# KiCad board Mothbox_5.0.4.kicad_pcb (continued)
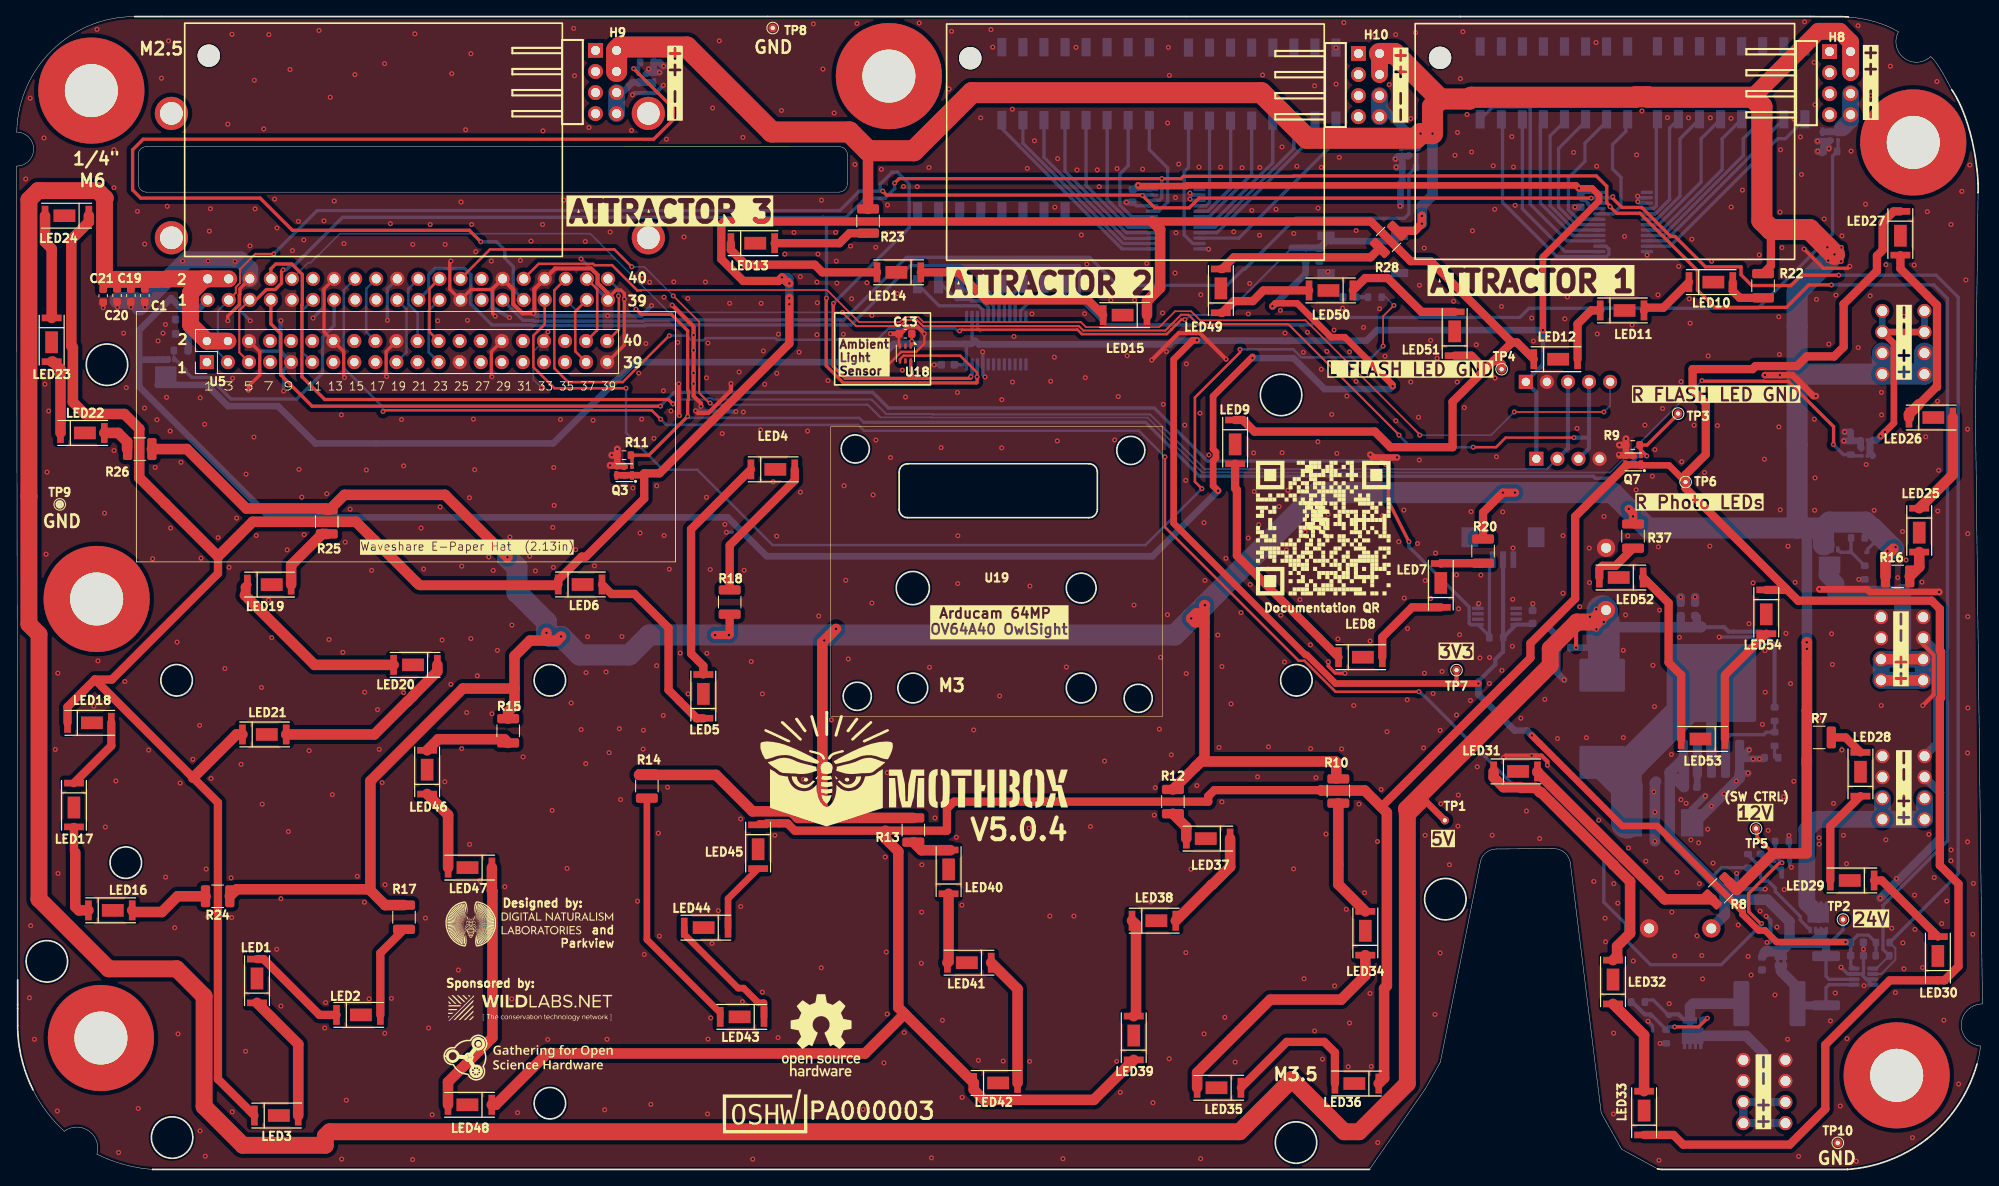
[diagram p0: board, top side]
## Nets
3V3_CTL: Q13.4 R36.2 U7.14
+3.3V: C4.2 C6.1 C7.2 C8.1 C9.2 C12.2 C13.2 H1.1 J5.2 Q13.5 Q13.6 Q13.7 Q13.8 Q13.9 R5.2 R6.2 R33.1 TP7.1 U3.4 U8.1 U9.21 U9.24 U15.24 U16.2 U16.24 U17.8 U18.1
+3V3: C17.1 C18.1 Q13.1 Q13.2 Q13.3 R35.1 R36.1 U7.2
+5V: C1.1 C5.1 C10.1 C11.1 C16.1 C19.1 C20.1 C21.1 L1.2 R2.1 TP1.1 U5.2 U5.4 U7.1 U7.3
+12V: D4.1 H8.2 H8.4 H9.2 H9.4 H10.2 H10.4 J4.3 J4.4 Q10.1 Q10.2 Q10.3 R7.1 R8.1 R10.1 R12.1 R13.1 R14.1 R15.1 R16.1 R17.1 R18.1 R20.1 R22.1 R23.1 R24.1 R25.1 R26.1 R28.1 R37.1 R42.2 TP5.1
+24V: C2.1 C3.1 C14.1 D2.1 JP1.2 Q8.1 Q8.2 Q8.3 R4.1 R41.2 TP2.1 U2.5 U3.2
GND: C1.2 C2.2 C4.1 C5.2 C6.2 C7.1 C8.2 C9.1 C10.2 C11.2 C12.1 C13.1 C14.2 C15.2 C16.2 C17.2 C18.2 C19.2 C20.2 C21.2 D3.1 E1.2 H1.4 J1.1 J1.2 J2.1 J2.2 J3.1 J3.2 J5.3 Q2.2 Q3.4 Q3.7 Q4.4 Q4.7 Q5.4 Q5.7 Q6.4 Q6.7 Q7.4 Q7.7 Q9.4 Q9.7 R1.2 R9.2 R11.2 R19.2 R21.2 R27.2 R29.2 R31.2 R32.2 R39.2 SW2.3 SW2.4 TP8.1 TP9.1 TP10.1 U2.1 U3.3 U3.7 U3.8 U5.6 U5.9 U5.14 U5.20 U5.25 U5.30 U5.34 U5.39 U7.5 U7.10 U7.13 U7.19 U7.26 U7.29 U7.33 U7.40 U8.2 U9.2 U9.3 U9.12 U10.1 U10.2 U10.3 U10.4 U10.5 U10.6 U10.7 U10.8 U11.1 U11.2 U11.3 U11.4 U11.5 U11.6 U11.7 U11.8 U12.1 U12.2 U12.3 U12.4 U12.5 U12.6 U12.7 U12.8 U13.1 U13.2 U13.3 U13.4 U13.5 U13.6 U13.7 U13.8 U14.1 U14.2 U14.3 U14.4 U14.5 U14.6 U14.7 U14.8 U15.2 U15.3 U15.12 U15.21 U16.3 U16.12 U16.21 U17.4 U18.3
/GPS and Switches and Light Sensor/Armed/Disarmed: U11.16 U15.13
/GPS and Switches and Light Sensor/Attractor_1: U12.13 U16.7
/GPS and Switches and Light Sensor/Attractor_2: U12.12 U16.8
/GPS and Switches and Light Sensor/Attractor_3: U12.11 U16.9
/GPS and Switches and Light Sensor/C1: U12.10 U16.10
/GPS and Switches and Light Sensor/C2: U12.9 U16.11
/GPS and Switches and Light Sensor/Fri: U11.13 U15.16
/GPS and Switches and Light Sensor/HI/LOW_PWR: U12.15 U16.5
/GPS and Switches and Light Sensor/Hour_1: U9.4 U13.16
/GPS and Switches and Light Sensor/Hour_2: U9.5 U13.15
/GPS and Switches and Light Sensor/Hour_3: U9.6 U13.14
/GPS and Switches and Light Sensor/Hour_4: U9.7 U13.13
/GPS and Switches and Light Sensor/Hour_5: U9.8 U13.12
/GPS and Switches and Light Sensor/Hour_6: U9.9 U13.11
/GPS and Switches and Light Sensor/Hour_7: U9.10 U13.10
/GPS and Switches and Light Sensor/Hour_8: U9.11 U13.9
/GPS and Switches and Light Sensor/Hour_9: U9.15 U14.16
/GPS and Switches and Light Sensor/Hour_10: U9.14 U14.15
/GPS and Switches and Light Sensor/Hour_11: U9.13 U14.14
/GPS and Switches and Light Sensor/Hour_12: U9.16 U14.13
/GPS and Switches and Light Sensor/Hour_13: U9.17 U14.12
/GPS and Switches and Light Sensor/Hour_14: U9.18 U14.11
/GPS and Switches and Light Sensor/Hour_15: U9.19 U14.10
/GPS and Switches and Light Sensor/Hour_16: U9.20 U14.9
/GPS and Switches and Light Sensor/Hour_17: U10.15 U15.4
/GPS and Switches and Light Sensor/Hour_18: U10.14 U15.5
/GPS and Switches and Light Sensor/Hour_19: U10.13 U15.6
/GPS and Switches and Light Sensor/Hour_20: U10.12 U15.7
/GPS and Switches and Light Sensor/Hour_21: U10.11 U15.8
/GPS and Switches and Light Sensor/Hour_22: U10.10 U15.9
/GPS and Switches and Light Sensor/Hour_23: U10.9 U15.10
/GPS and Switches and Light Sensor/Hour_24: U10.16 U15.11
/GPS and Switches and Light Sensor/INT/EXT_Attractor: U12.14 U16.6
/GPS and Switches and Light Sensor/Mon: U11.9 U15.20
/GPS and Switches and Light Sensor/Sat: U11.14 U15.15
/GPS and Switches and Light Sensor/Sun: U11.15 U15.14
/GPS and Switches and Light Sensor/Test_Debug: U12.16 U16.4
/GPS and Switches and Light Sensor/Thur: U11.12 U15.17
/GPS and Switches and Light Sensor/Tue: U11.10 U15.19
/GPS and Switches and Light Sensor/Wed: U11.11 U15.18
/RPI5/Save for eink_11: U5.11 U7.12
/RPI5/Save for eink_18: U5.18 U7.17
/RPI5/Save for eink_19: U5.19 U7.20
/RPI5/Save for eink_22: U5.22 U7.21
/RPI5/Save for eink_23: U5.23 U7.24
/RPI5/Save for eink_24: U5.24 U7.23
/RPI5/Save for relay: U5.38 U7.37
/RPI5/Save for relay 2: U5.40 U7.39
/RPI5/Save for relay 3: U5.37 U7.38
EN_12VReg: Q2.1 R1.1 U7.15
GPIO4: J5.1 R33.2 U7.8 U17.1
GPS_PPS: U7.31 U8.5
GPS_RX: H1.2 U7.7 U8.3
GPS_TX: H1.3 U7.9 U8.4
PHOTO_LED_CTRL: Q3.3 Q7.3 R9.1 R11.1 TP3.1 U7.36
SCL: R5.1 U3.5 U5.5 U7.6 U9.22 U15.22 U16.22 U18.4
SDA: R6.1 U3.6 U5.3 U7.4 U9.23 U15.23 U16.23 U18.6
SWITCH: C15.1 R35.2 SW2.1 SW2.2 U7.35
User_LED: R34.1 U7.34
UV1_CTRL: Q5.3 R27.1 U7.22
UV2_CTRL: Q9.3 R21.1 U7.30
UV3_CTRL: Q6.3 R31.1 U7.32
UV4_EX_CTRL: Q4.3 R19.1 U7.25
Net-(D1-A): D1.2 Q1.4 R29.1 R38.1
Net-(D1-K): D1.1 F2.1 Q1.1 Q1.2 Q1.3 R38.2
Net-(D2-A): D2.2 Q8.4 R30.1 R41.1
Net-(D3-A): D3.2 R34.2
Net-(D4-A): D4.2 Q10.4 R39.1 R42.1
Net-(E1-C): E1.1 L1.1 U2.3
Net-(H8-Pad6): H8.6 H8.8 Q5.1 Q5.2 Q5.5 Q5.6 Q5.8
Net-(H9-Pad6): H9.6 H9.8 Q6.1 Q6.2 Q6.5 Q6.6 Q6.8
Net-(H10-Pad6): H10.6 H10.8 Q9.1 Q9.2 Q9.5 Q9.6 Q9.8
Net-(J1-Pin_3): J1.3 J1.4 Q10.5 Q10.6 Q10.7 Q10.8 Q10.9
Net-(J2-Pin_3): J2.3 J2.4 Q1.5 Q1.6 Q1.7 Q1.8 Q1.9
Net-(J3-Pin_3): J3.3 J3.4 Q8.5 Q8.6 Q8.7 Q8.8 Q8.9
Net-(J4-Pin_1): J4.1 J4.2 Q4.1 Q4.2 Q4.5 Q4.6 Q4.8
Net-(JP1-A): F2.2 JP1.1 R4.2 U3.1
Net-(LED1-A): LED1.2 LED2.1
Net-(LED1-K): LED1.1 LED3.2
Net-(LED2-A): LED2.2 R17.2
Net-(LED4-A): LED4.2 R18.2
Net-(LED4-K): LED4.1 LED5.2
Net-(LED5-K): LED5.1 LED6.2
Net-(LED7-A): LED7.2 R20.2
Net-(LED7-K): LED7.1 LED8.2
Net-(LED8-K): LED8.1 LED9.2
Net-(LED10-A): LED10.2 R22.2
Net-(LED10-K): LED10.1 LED11.2
Net-(LED11-K): LED11.1 LED12.2
Net-(LED12-K): LED3.1 LED6.1 LED9.1 LED12.1 LED15.1 LED18.1 LED21.1 LED24.1 LED51.1 Q3.1 Q3.2 Q3.5 Q3.6 Q3.8 TP4.1
Net-(LED13-A): LED13.2 R23.2
Net-(LED13-K): LED13.1 LED14.2
Net-(LED14-K): LED14.1 LED15.2
Net-(LED16-A): LED16.2 R24.2
Net-(LED16-K): LED16.1 LED17.2
Net-(LED17-K): LED17.1 LED18.2
Net-(LED19-A): LED19.2 R25.2
Net-(LED19-K): LED19.1 LED20.2
Net-(LED20-K): LED20.1 LED21.2
Net-(LED22-A): LED22.2 R26.2
Net-(LED22-K): LED22.1 LED23.2
Net-(LED23-K): LED23.1 LED24.2
Net-(LED25-A): LED25.2 R16.2
Net-(LED25-K): LED25.1 LED26.2
Net-(LED26-K): LED26.1 LED27.2
Net-(LED27-K): LED27.1 LED30.1 LED33.1 LED36.1 LED39.1 LED42.1 LED45.1 LED48.1 LED54.1 Q7.1 Q7.2 Q7.5 Q7.6 Q7.8 TP6.1
Net-(LED28-A): LED28.2 R7.2
Net-(LED28-K): LED28.1 LED29.2
Net-(LED29-K): LED29.1 LED30.2
Net-(LED31-A): LED31.2 R8.2
Net-(LED31-K): LED31.1 LED32.2
Net-(LED32-K): LED32.1 LED33.2
Net-(LED34-A): LED34.2 R10.2
Net-(LED34-K): LED34.1 LED35.2
Net-(LED35-K): LED35.1 LED36.2
Net-(LED37-A): LED37.2 R12.2
Net-(LED37-K): LED37.1 LED38.2
Net-(LED38-K): LED38.1 LED39.2
Net-(LED40-A): LED40.2 R13.2
Net-(LED40-K): LED40.1 LED41.2
Net-(LED41-K): LED41.1 LED42.2
Net-(LED43-A): LED43.2 R14.2
Net-(LED43-K): LED43.1 LED44.2
Net-(LED44-K): LED44.1 LED45.2
Net-(LED46-A): LED46.2 R15.2
Net-(LED46-K): LED46.1 LED47.2
Net-(LED47-K): LED47.1 LED48.2
Net-(LED49-A): LED49.2 R28.2
Net-(LED49-K): LED49.1 LED50.2
Net-(LED50-K): LED50.1 LED51.2
Net-(LED52-A): LED52.2 R37.2
Net-(LED52-K): LED52.1 LED53.2
Net-(LED53-K): LED53.1 LED54.2
Net-(Q2-D): Q2.3 R30.2
Net-(R3-Pad2): R3.2 R32.1
Net-(U2-FB): R2.2 R3.1 U2.2
Net-(U2-VC): C3.2 U2.4

Pads without a net: H2 1; H3 1; H4 1; H5 1; H6 1; H7 1; H8 1 3 5 7; H9 1 3 5 7; H10 1 3 5 7; J5 4 5; LED1 3; LED2 3; LED3 3; LED4 3; LED5 3; LED6 3; LED7 3; LED8 3; LED9 3; LED10 3; LED11 3; LED12 3; LED13 3; LED14 3; LED15 3; LED16 3; LED17 3; LED18 3; LED19 3; LED20 3; LED21 3; LED22 3; LED23 3; LED24 3; LED25 3; LED26 3; LED27 3; LED28 3; LED29 3; LED30 3; LED31 3; LED32 3; LED33 3; LED34 3; LED35 3; LED36 3; LED37 3; LED38 3; LED39 3; LED40 3; LED41 3; LED42 3; LED43 3; LED44 3; LED45 3; LED46 3; LED47 3; LED48 3; LED49 3; LED50 3; LED51 3; LED52 3; LED53 3; LED54 3; U5 1 7 8 10 12 13 15 16 17 21 26 27 28 29 31 32 33 35 36; U6 S1 S2 S3; U7 11 16 18 27 28; U9 1; U15 1; U16 1 13 14 15 16 17 18 19 20; U17 2 3 5 6 7; U18 2 5

## Via types
v1: diameter 0.6, hole 0.3, Top to Bottom, 1019 vias

## Routing (per net, layer and track width the routed paths; a pad name or vN(x,y) marks a point on that pad's centre or on a via; arc(x,y) is an arc through that point)
3V3_CTL: length 31.8
  Bottom w0.203: R36.2 18.97,97.68 18.95,97.66
  Bottom w0.4: U7.14 38.27,101.74 36.89,100.35 36.89,96.03 33.76,92.9 25.84,92.9 23.24,95.5 21.11,95.5 20.4,96.21 20.4,96.43 19.13,97.7 18.97,97.7
+3.3V: length 444.7
  Top w0.305: U18.1 107.92,99.42 v1(107.92,99.86) C13.2
  Top w0.5: 173.52,60.22 173.6,60.15 173.6,58.64 173.64,58.6
  Top w0.8: v1(220.5,27.42) 212.19,27.42 210.77,28.84 210.73,28.81 210.03,28.81 208.08,30.76 208.08,31.12 197.78,41.42 193.59,41.42 v1(182.68,52.33) ; v1(135.21,118.67) 135.31,118.58 141.03,118.58 141.12,118.67 187.99,118.67 v1(188.35,118.31) 189.93,118.31 190.78,117.46 190.78,116.8 184.01,110.02 v1(184.01,101.22) ; v1(176.24,58.6) 159,58.6 155.56,62.04 155.38,62.04 139.5,77.92 139.5,97.67 141.81,99.99 v1(142.3,99.99)
  Bottom w0.4: 114.31,97.31 114.51,97.51 114.51,99.34 114.31,99.54 ; 114.31,97.31 114.54,97.08 ; 114.31,97.31 114.31,97.04 C12.2 ; C7.2 134.59,118.16 U15.24 ; 221.51,24.36 U3.4 221.12,24.62 C6.1 221.12,27.6 ; 115.56,99.94 115.16,99.54 115.19,99.57 115.19,102.81 ; U9.24 188.8,117.83 C9.2 188.57,116.98 188.65,116.9 189.08,116.9 189.44,116.54 189.44,116.42 189.98,115.88 U9.21 ; C8.1 221.98,28.26 223.27,28.26 R6.2 ; 224.16,25.77 224.16,27.42 224.17,27.43
  Bottom w0.5: 176.24,58.85 178.28,60.9 178.28,61.5 179.22,62.43 R33.1 ; v1(184.01,101.22) 184.01,97.03 U8.1 183.22,93.7 H1.1 ; R33.1 179.22,73.53 J5.2 ; R33.1 179.22,64.14 U17.8 182.63,65.7 C4.2
  Bottom w0.8: v1(188.35,118.31) 188.57,118.1 C9.2 ; 115.16,99.54 105.76,99.54 103.56,97.34 74.49,97.34 64.69,87.54 43.26,87.54 43.26,87.55 36.01,87.55 31.5,92.05 25.48,92.05 22.93,94.6 16.99,94.6 ; v1(184.01,101.22) 164.01,101.22 162.74,99.94 153.35,99.94 153.32,99.91 152.61,99.91 152.58,99.94 139.5,99.94 139.04,99.49 116.02,99.49 115.56,99.94 ; 176.24,58.85 v1(176.24,58.6) 176.24,57.3 176.24,57.29 180.6,52.93 182.08,52.93 v1(182.68,52.33) ; C7.2 134.74,118.2 v1(135.21,118.67)
+3V3: length 231.3
  Top w0.8: v1(165.9,94.44) 165.9,94.59 160.14,100.36 158.48,100.36 154.39,104.45 151.75,104.45 v1(151.4,104.09) ; 149,97.99 144.25,93.24 144.25,86.86 144.6,86.51 144.6,85.8 144.25,85.45 144.25,82.44 v1(144.85,81.84)
  Bottom w0.8: 14.78,97.64 18.2,97.64 18.2,97.66 ; 14.78,97.64 14.78,101.22 18.62,105.07 20.73,102.97 C17.1 20.73,100.76 C18.1 20.72,99.08 20.74,99.06 20.74,98.63 ; 14.78,97.64 14.78,94.37 30.51,78.64 85.74,78.64 90.44,73.94 136.95,73.94 v1(144.85,81.84) ; 20.81,102.64 U7.2 ; R35.1 155.41,108 151.45,104.04 v1(151.4,104.09) ; v1(165.9,94.44) 165.57,94.11 157.68,94.11 153.95,97.84 v1(149,97.84)
+5V: length 466.6
  Top w0.5: 188.1,66.01 188.01,65.92 v1(188.01,62.92)
  Top w0.8: 169.24,44.42 169.87,44.42 TP1.1
  Top w2.032: U7.1 22.65,107.4 20.97,105.71 20.97,101.86 22.95,99.89 25.49,99.89 ; U7.1 U7.3 ; U7.1 18.15,107.4 18.09,107.33 17.03,107.33 ; C16.1 190.18,66.01 188.1,66.01 184.9,62.81 184.9,60.8 167.56,43.46 167.66,43.36 167.66,42.84 ; 167.66,42.84 169.24,44.42 ; 167.66,42.84 167.66,10.36 161.85,4.54 160.05,4.54 153.75,10.84 147.45,4.54 37.75,4.54 37.22,4.01 37.22,2.91 27.28,2.91 22.61,7.58 22.61,20.88 19.3,24.19 11.1,24.19 2.7,32.59 2.7,64.54 1.49,65.75 1.49,81.17 1.49,116.93 2.6,118.04 9.75,118.04 10.68,117.11 10.6,117.02 10.6,107.46 10.73,107.33 17.03,107.33 ; 17.03,107.33 15.37,107.33
  Bottom w0.4: 192.17,64.85 191.16,63.84
  Bottom w0.5: 193.12,65.39 191.16,67.34 ; 203.1,65.44 200.22,65.44 ; 211.95,55.82 211.95,63.24 210.35,64.85 206.41,64.85 205.87,65.39 200.41,65.39
  Bottom w0.8: 191.16,63.84 190.24,62.92 C5.1
  Bottom w1: 200.22,65.44 200.63,65.85 C11.1 ; 202.28,65.44 202.57,65.74 202.57,66.56 C10.1
  Bottom w1.27: 202.28,65.44 203.1,65.44 203.05,65.39 192.71,65.39 191.16,63.84
  Bottom w2.54: L1.2 191.16,63.84
  Bottom w3.81: L1.2 191.36,59.79 v1(191.36,66) ; 191.16,63.84 191.16,67.34
  vias: v1(189.69,66.65) v1(190.44,67.55) v1(190.47,65.12)
+12V: length 799.3
  Top w0.4: TP5.1 209.84,40.98 209.84,40.06 211.79,38.11
  Top w1: v1(84.21,64.44) v1(85.88,64.44) 85.97,64.54 R18.1 ; v1(180.65,81.62) v1(179.19,81.62) 176.8,79.22 R20.1 ; 102.65,122.83 102.66,122.84 ; R28.1 168.57,113.19 v1(169.43,114.05) 169.43,114.99 v1(169.43,114.99) ; 211.5,113.34 211.5,108.97 R22.1 ; 215.86,55.33 R7.1 215.86,49.6 215.83,49.57 ; v1(194.36,79.65) 194.88,79.13 R37.1
  Top w1.27: 42.65,33.65 42.65,46.84 53.8,57.99 60.03,57.99 ; 42.65,33.65 42.52,33.78 26.54,33.78 R24.1 ; 42.65,33.65 44.42,31.87 R17.1 ; 142.12,48.54 143.21,49.63 143.21,65.99 ; 142.12,48.54 R12.1 ; 142.12,48.54 142.78,49.19 159.01,49.19 159.1,49.11 159.1,47.16 ; 143.21,67.04 143.21,68.04 v1(143.26,68.04) ; 143.21,67.04 142.21,67.04 v1(141.61,66.45) 142.06,65.99 143.21,65.99 ; 143.21,67.04 143.21,65.99 ; v1(98.79,65.18) 98.05,64.44 98.04,64.44 97.14,63.55 97.14,42.39 ; v1(59.18,73.83) 51.66,81.34 39.52,81.34 37.74,79.57 37.39,79.57 37.26,79.71 27.7,79.71 20.53,86.87 R26.1 ; 226.27,74.86 225.31,73.9 R16.1 ; 63.88,63.77 v1(63.88,64.7) ; 63.88,63.77 61.89,63.77 60.03,61.91 60.03,57.99 ; 63.88,63.77 65.14,63.77 v1(65.64,64.27) ; R8.1 207.39,33.71 211.79,38.11 215.83,38.11 215.83,48.93 ; R13.1 97.14,42.39 ; 97.14,42.39 94.2,42.39 93.41,43.18 88.72,43.18 84.33,47.57 75.04,47.57 ; 215.83,48.93 215.83,49.57 ; 215.83,48.93 215.83,55.3 215.84,55.32 215.84,63.55 v1(215.83,63.56) ; R23.1 102.65,122.83 ; R15.1 59.26,55.21 60.03,55.98 60.03,57.99
  Top w2.032: H8.4 H8.2 221.11,135.95 219.81,137.24 217.23,137.24 209.28,129.29 ; H10.4 H10.2
  Top w2.54: H9.4 H9.2 72.74,135.35 80.81,135.35 91.05,125.11 100.4,125.11 102.66,122.84 108.16,122.84 115.16,129.84 150.06,129.84 155.56,124.34 168.7,124.34 v1(169.26,124.91) v1(170.7,124.91) 170.7,128.15 171.63,129.08 ; 171.63,129.08 166.14,134.57 H10.2 ; 171.63,129.08 175.15,129.08 175.36,129.29 195.18,129.29 195.24,129.35 196.66,129.35 196.72,129.29 209.28,129.29 210.41,128.16 210.41,114.43 211.5,113.34 216.16,113.34 v1(218.31,111.2) v1(219.16,110.34)
  Bottom w0.4: 223.15,74.41 223.15,74.78 224.75,76.38 ; 223.65,77.35 222.81,76.51 R42.2
  Bottom w0.8: 219.73,110.91 v1(219.16,110.34)
  Bottom w1.27: 169.47,125.12 169.68,124.91 v1(170.7,124.91) 170.7,117.48 169.43,116.21 v1(169.43,114.05) ; v1(215.84,62.78) 215.84,77.26 215.93,77.35
  Bottom w2.54: 214.66,77.35 214.66,95.95 ; 214.66,77.35 196.66,77.35 v1(194.36,79.65) 192.39,81.62 v1(180.65,81.62) v1(179.19,81.62) 156.82,81.62 143.26,68.06 v1(143.26,68.04) 141.67,66.45 v1(141.61,66.45) 139.61,64.44 v1(85.88,64.44) v1(84.21,64.44) 76.27,64.44 73.87,62.04 67.86,62.04 v1(65.64,64.27) 64.32,64.27 v1(63.88,64.7) 63.88,66.03 60.33,69.58 60.33,72.62 59.18,73.77 v1(59.18,73.83) ; 214.66,77.35 217.84,77.35 ; 217.84,77.35 218.55,78.06 222.94,78.06 223.65,77.35 223.78,77.35 226.27,74.86 ; 217.84,77.35 217.84,75.34 217.93,75.34 ; H9.4 72.34,134.4 ; J4.4 214.71,95.9 214.66,95.95 ; J4.4 J4.4 J4.3 ; J4.4 J4.3 ; 214.66,95.95 214.66,105.84 v1(219.16,110.34)
  vias: v1(58.36,74.62) v1(97.38,63.78) v1(194.88,78.75) v1(218.41,109.59) v1(219.97,109.5) v1(220,111.18) v1(225.56,74.57) v1(226.53,75.04)
+24V: length 71.1
  Bottom w0.305: Q8.3 Q8.1
  Bottom w0.4: 204.24,35.07 205.55,36.38 R41.2 208.74,34.94 D2.1 ; R4.1 218.15,23.3 218.53,22.93 U3.2 ; TP2.1 220.2,28.88 218.65,27.33 218.15,27.33
  Bottom w1: R4.1 218.15,27.33
  Bottom w1.27: C14.1 205.94,30.69 205.94,32.89 206.18,33.13 ; 206.18,33.13 199.31,40 199.31,47.89 ; 206.18,33.13 206.78,32.53 211.09,32.53 213.74,29.88 213.74,27.33 ; 217.71,28.44 216.91,27.64 216.91,27.33 ; 213.74,27.33 212.7,26.29 210.91,26.29 210.71,26.09 ; 213.74,27.33 216.91,27.33 ; 218.15,27.33 216.91,27.33 ; 199.31,47.89 199.31,47.82 C3.1 201.02,49.42 U2.5 199.31,47.89
GND: length 438.6
  Top w0.305: v1(104.5,96.44) 106.64,98.58 108.43,98.58 109.44,99.59 v1(109.44,100.79) ; U18.3 106.37,99.43 C13.1
  Top w0.4: U7.13 37.07,106.2 37.07,101 39.44,98.63 39.44,95.58 v1(39.53,95.49) ; v1(52.36,109.54) 52.23,109.41 52.23,106.15 U7.26 54.76,106.11 57.3,106.11 U7.29 57.39,106.2 57.39,103.21 v1(57.71,102.9) ; v1(160.15,59.83) 159,59.83 158.13,60.7 v1(158.13,61.21) ; 28.03,99.89 29.32,98.6 29.32,95.8 27.95,94.43 v1(27.95,93.97) ; v1(44.61,95.62) 44.56,95.67 44.56,98.63 45.81,99.89 ; v1(215.51,110.97) 217.81,108.67 220.78,108.67 v1(221.02,108.91) ; 71.21,97.35 73.27,99.41 73.27,105.62 72.86,106.03 72.28,106.03 71.29,105.05 U7.40 ; v1(57.3,95.59) 57.24,95.64 57.24,98.62 58.51,99.89 ; U7.5 27.42,106.7 27.42,106.7 26.91,106.2 26.91,105.52 26.85,105.46 26.85,104.29 25.46,102.91 v1(25.46,102.34)
  Top w0.5: C13.1 105.37,100.77 v1(105.34,100.79) 106.58,100.79 107.43,101.64 108.59,101.64 v1(109.44,100.79) ; U7.29 59.88,106.11 59.88,104.34 60.99,103.23 v1(62.31,103.23) 62.42,103.34 62.42,106.15 U7.33 64.93,108.65 69.27,108.65 70.04,107.88 70.04,106.88 71.29,105.63 U7.40 ; C21.2 10.44,104.6 v1(10.44,103.91) ; v1(86.12,94.76) 86.12,93.93 83.39,91.2 82.14,91.2 v1(81.85,91.49) ; v1(145.81,97.69) 142.66,100.84 140.1,100.84 v1(136.85,97.59) ; 183.22,49.91 183.84,49.91 184.55,49.2 v1(184.55,48.74) ; 183.22,49.91 v1(182.66,49.91) ; 183.22,49.91 179.53,49.91 v1(179.27,49.65) ; v1(15.49,103.97) 15.49,104.59 C1.2 ; v1(12.16,103.95) 12.16,104.58 C20.2 ; v1(13.78,103.97) 13.78,104.6 C19.2 ; v1(79.83,94.73) 79.83,90.99 v1(79.91,90.9) ; v1(79.04,104.21) 81.62,101.64 81.62,93.27 82.51,92.37 v1(82.51,92.02) ; v1(229.81,55.94) 231.12,57.24 231.12,62.04 229.86,63.29 J1.2
  Top w0.8: 194.02,86.12 194.03,86.13 R9.2 ; 194.02,86.12 194.78,86.12 Q7.7 ; 194.02,86.12 193.26,86.12 193.25,86.12 ; v1(72.43,86.89) 72.41,86.87 R11.2 ; v1(166.43,85.86) 163.55,85.86 v1(163.21,86.2) ; v1(217.35,69.97) 217.37,69.95 223.11,69.95 223.42,69.63 231.79,69.63 v1(231.79,69.63) ; R9.2 194.03,88.11 v1(194.02,88.12) ; R9.2 v1(193.23,87.36) 193.23,87.35 ; R11.2 71.75,86.13 v1(71.75,86.13) ; R11.2 72.41,84.9 ; 72.41,84.9 72.33,84.82 ; 72.41,84.9 v1(71.56,84.9) ; 72.33,84.82 73.15,84.82 Q3.7 ; 72.33,84.82 72.3,84.82 ; v1(210.78,95.79) 210.78,95.78 v1(212.58,95.78) 214.1,95.78 216.62,93.26 v1(216.92,93.26)
  Bottom w0.203: v1(63.26,94.29) 62.3,95.25 62.3,98.62 U5.34
  Bottom w0.4: v1(68.05,109.8) 69.96,107.9 69.96,106.2 U7.40 ; 33.11,97.35 32.19,96.43 v1(32.19,93.87) ; v1(195.46,116.7) 195.63,116.53 U9.3 ; 31.77,98.68 29.23,98.68 28.03,99.89 ; U3.7 223.02,22.93 222.81,23.13 ; v1(210.8,62.56) 210.8,62.66 209.26,64.2 v1(205.26,64.2) ; 222.81,23.13 223.67,22.28 U3.8 ; 222.81,23.13 222.57,23.37 222.57,23.58 ; U16.21 116.49,95.82 v1(116.75,95.56) ; v1(219.95,24.38) 220.75,23.58 U3.3 222.57,23.58 ; 116.49,97.08 116.49,98.57 v1(116.46,98.59) ; v1(44.71,102.39) 44.69,102.42 44.69,106.2 U7.19 ; v1(141.46,117.74) 141.69,117.51 U15.2 ; v1(141.46,117.03) 141.63,116.86 U15.3 ; U7.5 26.91,106.2 26.91,103.6 v1(28.16,102.34) ; v1(85.57,76.83) 86.25,76.83 86.27,76.86 ; 222.57,23.58 222.67,23.67 C6.2 222.67,26.55 v1(222.66,26.56) 222.66,27.37 C8.2 ; U9.2 195.62,117.18 v1(195.44,117.37) ; U7.13 36.94,106.06 36.94,103.87 35.75,102.68 v1(35.75,102.66) ; v1(213.97,36.43) 213.76,36.64 Q2.2 213.76,39.43 R1.2 ; v1(196.68,17.87) 197.23,17.32 197.23,16.68 ; C7.1 134.99,116.21 U15.21 ; v1(143.71,110.97) 143.67,111.01 U15.12 ; 116.16,101.12 115.84,101.44 115.84,102.81
  Bottom w0.5: v1(176.28,68.25) 176.21,68.25 176.17,68.21 U17.4 ; v1(86.72,91.39) 82.39,91.39 82.29,91.49 v1(81.85,91.49) ; 77.04,133.72 R31.2 ; 33.11,97.35 31.83,98.62 31.83,102.31 v1(31.87,102.36) ; U7.29 57.34,106.15 57.34,103.97 v1(59.43,102.73) ; 62.39,106.11 U7.33 ; v1(198.15,15.19) 198.87,15.19 R29.2 ; v1(210.92,30.52) 211.44,30 211.44,27.48 211.34,27.38 v1(211.03,27.38) ; v1(196.57,110.24) 196.55,110.26 U9.12 ; v1(110.63,97.02) 111.47,97.02 C12.1 ; v1(76.54,104.17) 75.32,102.95 v1(71.24,102.95) 62.59,102.95 v1(62.31,103.23) 62.39,103.3 ; v1(207.37,35.71) 207.37,34.2 207.75,33.81 210.81,33.81 v1(210.82,33.8) ; R1.2 213.67,39.54 v1(213.67,40.26) ; v1(222.1,71.14) 222.8,71.14 R39.2 ; C4.1 182.77,68.21 v1(182.79,68.23) ; v1(77.98,130.74) 77.04,129.8 74.46,129.8 v1(74.25,129.58)
  Bottom w0.8: 76.92,132.29 76.82,132.39 R31.2 77.52,133.5 77.97,133.04 v1(78.01,133.04) ; 76.92,132.29 76.11,132.29 Q6.7 ; 76.92,132.29 v1(77.51,132.29) ; U2.1 209.34,49.51 v1(209.36,49.5) 210.59,49.5 R32.2 ; U2.1 207.73,47.76 208.72,47.76 v1(208.76,47.8) ; U2.1 208.81,50.59 ; R19.2 222.32,87.86 ; R19.2 v1(220.31,87.86) ; R19.2 221.12,88.95 220.41,88.95 v1(220.4,88.94) ; 222.32,87.86 222.32,87.96 ; 222.32,87.86 222.32,87.11 Q4.7 ; R21.2 167.06,122.17 ; R21.2 166.35,120.85 v1(166.34,120.86) ; R21.2 167.06,119.13 166.86,118.93 166.86,116.24 v1(166.81,116.19) ; 167.06,122.17 166.56,122.17 v1(166.23,121.85) ; 167.06,122.17 167.03,122.2 ; v1(187.88,116.05) 187.89,116.05 C9.1 ; 167.03,122.2 166.92,122.2 ; 167.03,122.2 167.77,122.2 Q9.7 ; 218.08,123.53 217.84,123.29 R27.2 ; 218.08,123.53 218.55,124 ; 218.08,123.53 218.17,123.53 218.49,123.2 v1(218.49,123.11) ; 217.63,122.56 R27.2 ; R27.2 217.15,122.77 v1(217.15,122.77) ; v1(217.13,124) 218.55,124 ; 218.55,124 Q5.7 ; v1(203.59,45.02) 202,43.44 E1.2 ; 184.56,65.5 185.73,64.32 185.73,59.89 v1(186.58,59.04) ; v1(133.81,116.63) 133.83,116.65 C7.1
  Bottom w1: v1(202.36,69.03) 202.36,69.03 C10.2 ; C11.2 200.63,69.01 v1(200.62,69.02) ; J3.1 231.53,51.34 231.53,62.4 J1.2 ; J3.2 231.9,45.43 231.9,39.92 v1(224.69,32.72)
  Bottom w1.27: 197.66,46.77 197.51,46.62 v1(197.51,39.56) ; 202.04,43.05 202.04,41.83 E1.2 202.31,41.79 v1(204.33,43.81) v1(205.83,45.31) v1(207.34,46.82) 207.73,47.21 207.73,47.76
  Bottom w2.032: 14.37,104.79 12.2,104.79 ; U7.5 28.11,108.6 27.02,109.69 20.52,109.69 14.82,103.99
  vias: v1(1.1,119.44) v1(1.55,20.69) v1(1.64,129.18) v1(1.7,29.39) v1(2.15,15.69) v1(3.3,124.39) v1(3.41,94.7) v1(3.55,74.19) v1(3.67,84.08) v1(3.87,91.46) v1(4.66,50.64) v1(4.96,59.84) v1(5,35.69) v1(4.91,7.04) v1(9.31,55.84) v1(9.69,137.48) v1(9.81,61.32) v1(10.6,79.14) v1(10.7,41.29) v1(11.74,122.96) v1(11.74,118.39) v1(11.75,86.69) v1(11.96,46.84) v1(12.3,2.04) v1(12.9,100.84) v1(13.05,58.84) v1(13.22,94.27) v1(14.57,115.54) v1(14.66,7.34) v1(15.44,111.59) v1(15.43,91.81) v1(15.92,50.57) v1(16.4,73.64) v1(16.7,84.66) v1(16.92,90.41) v1(17.06,99.91) v1(17.46,131.59) v1(17.65,100.84) v1(17.95,101.89) v1(17.96,35.24) v1(18.08,93.11) v1(18.16,116.14) v1(18.31,136.09) v1(18.52,89.04) v1(18.56,77.34) v1(19.06,29.14) v1(19.35,63.59) v1(19.46,16.34) v1(19.73,46.59) v1(19.82,85.27) v1(20.02,109.54) v1(21.25,49.45) v1(22.06,53.54) v1(22.14,93.05) v1(22.11,4.64) v1(22.23,73.7) v1(22.67,89.86) v1(22.75,1.59) v1(22.86,36.22) v1(23.08,109.54) v1(23.05,30.43) v1(23.24,113.15) v1(23.36,115.85) v1(23.44,47.14) v1(24.3,76.19) v1(25.11,60.39) v1(25.46,126.04) v1(25.62,72.6) v1(25.86,35.17) v1(25.96,136.89) v1(25.93,30.37) v1(26,6.94) v1(26.04,95.41) v1(26.31,109.5) v1(26.53,78.54) v1(27.06,48.84) v1(27.66,83.84) v1(27.61,14.24) v1(28.14,111.37) v1(28.66,131.34) v1(28.61,88.31) v1(28.75,115.84) v1(28.9,76.44) v1(29.52,58.12) v1(29.61,44.04) v1(29.8,125.47) v1(30.37,68.66) v1(30.41,136.84) v1(30.76,64.12) v1(31.11,117.01) v1(31.4,113.54) v1(31.36,26.54) v1(31.86,32.64) v1(31.86,19.69) v1(32.63,74.71) v1(32.76,40.74) v1(32.96,132.64) v1(33.26,110.8) v1(33.98,114.33) v1(34.05,84.42) v1(34.38,81.07) v1(34.63,112.09) v1(34.66,76.55) v1(35.26,50.49) v1(36.46,137.34) v1(37.05,114.39) v1(37.15,17.05) v1(37.26,20.12) v1(37.4,81.48) v1(37.66,63.91) v1(37.81,129.29) v1(38.06,45.19) v1(38.3,116.79) v1(39.16,91) v1(39.2,1.24) v1(39.34,62.35) v1(39.46,111.64) v1(39.62,75.64) v1(39.75,8.34) v1(40.22,79.62) v1(40.79,132.02) v1(41.07,35.34) v1(41.96,57.54) v1(41.94,32.22) v1(42.16,84.34) v1(42.5,20.56) v1(42.8,72.24) v1(43.51,55.44) v1(43.72,50.66) v1(44.06,46.64) v1(44.36,133.34) v1(44.38,16.41) v1(44.42,34.33) v1(45.06,114.04) v1(45.19,20.62) v1(46.41,90.43) v1(46.66,84.84) v1(46.66,57.49) v1(47.76,111.54) v1(47.75,1.19) v1(48.01,136.94) v1(48.76,77.35) v1(49.07,72.41) v1(49.29,30.31) v1(49.66,17.04) v1(49.86,113.94) v1(50.1,6.59) v1(50.76,102.34) v1(51.06,79.89) v1(51.3,63.84) v1(51.66,111.54) v1(51.63,46.75) v1(52.36,58.5) v1(52.46,132.14) v1(53.26,24.04) v1(53.58,116.66) v1(53.66,72.74) v1(53.66,50.74) v1(54.13,125.37) v1(54.26,55.09) v1(54.36,102.39) v1(54.6,81) v1(54.61,39.19) v1(54.76,134.54) v1(54.77,64.02) v1(54.86,113.94) v1(55.08,90.48) v1(55.23,84.38) v1(55.36,110.67) v1(55.55,59.53) v1(55.86,34.84) v1(56.92,73.86) v1(57.24,109.54) v1(57.31,54.94) v1(57.46,72.23) v1(57.96,62.59) v1(58.86,34.09) v1(59.47,76.25) v1(59.7,20.56) v1(59.71,65.64) v1(60.4,6.84) v1(60.74,109.62) v1(61.06,49.74) v1(61.86,73.94) v1(62.01,111.94) v1(62.55,72.18) v1(63.46,125.24) v1(63.41,113.94) v1(64.05,100.99) v1(64.04,15.67) v1(64.56,43.29) v1(64.64,77.42) v1(64.76,84.64) v1(64.71,72.6) v1(64.81,80.08) v1(65.57,90.43) v1(65.97,116.88) v1(66.36,36.29) v1(66.86,56.24) v1(67.16,137.59) v1(67.27,131.89) v1(67.41,74.73) v1(68.06,53.04) v1(68.56,111.9) v1(68.65,59.91) v1(68.62,48.93) v1(68.84,64.24) v1(69.01,125.64) v1(69.5,90.34) v1(69.67,72.79) v1(70.9,7.19) v1(71.06,59.99) v1(71.18,15.69) v1(71.44,50.26) v1(71.56,113.04) v1(72.66,53.14) v1(72.81,44.59) v1(72.98,64.26) v1(73.26,104.94) v1(74.13,125.29) v1(74.31,82.18) v1(74.86,32.34) v1(75.01,96.02) v1(75.16,76.74) v1(75.39,107.84) v1(75.36,90.47) v1(75.58,52.96) v1(75.54,50.68) v1(75.68,25.92) v1(75.86,99.59) v1(76.2,132.72) v1(76.32,106.99) v1(76.46,7.84) v1(76.84,88.15) v1(77.17,82.44) v1(77.16,60.74) v1(77.36,40.54) v1(77.5,28.13) v1(77.98,93.89) v1(77.96,54.74) v1(78.05,105.19) v1(78.06,76.44) v1(78.34,124.23) v1(78.48,46.09) v1(78.69,72.39) v1(78.9,91.48) v1(79.23,107.03) v1(79.71,99.73) v1(80.01,62.26) v1(80.46,112.44) v1(80.92,105.03) v1(80.96,57.34) v1(81.62,100.6) v1(81.62,98.78) v1(81.62,96.03) v1(81.62,94.76) v1(83.04,107.02) v1(83.17,95.46) v1(83.17,81.05) v1(83.22,62.24) v1(83.3,6.69) v1(83.34,99.65) v1(83.35,15.71) v1(83.62,72.34) v1(83.69,18.27) v1(83.83,27.25) v1(83.91,127.99) v1(84.59,31.21) v1(84.71,136.09) v1(85.07,88.74) v1(85.39,77.79) v1(85.96,104.44) v1(87.11,96.16) v1(87.29,42.27) v1(87.3,31.7) v1(87.56,124.44) v1(87.51,20.23) v1(87.62,91.33) v1(87.71,72.25) v1(88.56,61.24) v1(88.75,1.24) v1(89.69,89.18) v1(89.76,104.44) v1(89.91,57.34) v1(89.9,21.38) v1(90.03,98.69) v1(90.19,94.69) v1(91.21,82.92) v1(91.41,40.29) v1(91.65,96) v1(91.64,76.37) v1(91.85,100.72) v1(91.81,15.9) v1(92.21,127.69) v1(92.62,110.38) v1(93.71,112.99) v1(94.34,98.55) v1(94.48,107.65) v1(94.5,81.66) v1(94.86,47.04) v1(95.36,89.04) v1(96.06,138.14) v1(96.49,107) v1(96.49,100.66) v1(96.54,104.51) v1(96.62,110.38) v1(96.7,66.73) v1(97.04,116.87) v1(97.01,24.32) v1(97.21,132.69) v1(97.81,95.13) v1(98.23,54.21) v1(98.56,127.39) v1(98.75,113) v1(98.82,109.53) v1(98.9,106.88) v1(99.68,100.71) v1(99.76,82.44) v1(99.84,98.6) v1(99.96,71.04) v1(100.26,61.54) v1(100.54,111.35) v1(100.66,104.99) v1(101.07,121.18) v1(101.32,138.18) v1(102.06,7.24) v1(102.52,106.93) v1(103.11,102.98) v1(103.11,68.29) v1(103.26,81.34) v1(103.58,111.2) v1(103.59,87.95) v1(104.25,120.6) v1(104.56,12.84) v1(104.73,37.68) v1(104.86,26.22) v1(105,116.29) v1(104.96,47.84) v1(104.96,18.73) v1(105.36,85.84) v1(106.2,105.61) v1(106.78,96.37) v1(106.92,118.53) v1(107.01,16.51) v1(107.16,93.14) v1(108.58,118.51) v1(108.82,138.25) v1(109.07,24.86) v1(109.13,36.74) v1(109.12,31.03) v1(110,120.83) v1(110.06,60.55) v1(110.3,1.39) v1(110.72,42.39) v1(111.46,87.04) v1(111.62,17.98) v1(112.41,130.29) v1(112.71,137.24) v1(113.3,40.05) v1(113.43,93.7) v1(113.48,76.41) v1(113.46,70.64) v1(113.96,31.87) v1(113.99,8.69) v1(115.39,53) v1(115.95,13.15) v1(116.23,126.81) v1(117.46,137.44) v1(117.68,135.33) v1(118.51,57.09) v1(118.78,92.83) v1(118.76,87.02) v1(118.95,13.07) v1(120.05,127.85) v1(120.06,94.94) v1(120.24,100.45) v1(121.85,120.71) v1(122.06,41.14) v1(122.16,70.34) v1(122.12,13.03) v1(122.42,103.18) v1(122.71,124.05) v1(124.56,30.54) v1(124.66,95.04) v1(125.17,116.04) v1(125.11,97.94) v1(125.47,87.85) v1(125.51,121.89) v1(126.15,1.29) v1(126.56,60.58) v1(127.46,30.54) v1(127.72,135.31) v1(127.84,120.53) v1(128.37,112.69) v1(128.76,103.19) v1(128.84,95.48) v1(129.03,109.16) v1(129.46,41.34) v1(130.29,120.54) v1(130.53,118.51) v1(131.16,49.24) v1(131.92,104.8) v1(132.38,87.97) v1(132.68,120.69) v1(132.63,13.03) v1(132.81,93.19) v1(133.06,9.3) v1(133.89,98.12) v1(134.79,104.83) v1(134.71,68.04) v1(135.76,120.62) v1(136.24,109.26) v1(136.72,32.24) v1(137,8.04) v1(137.16,42.72) v1(137.28,46.03) v1(137.77,53.09) v1(137.92,61.75) v1(138.17,103.28) v1(138.25,92.26) v1(138.63,98.62) v1(138.76,126.19) v1(138.75,66.89) v1(138.86,135.31) v1(138.97,131.93) v1(138.96,13.34) v1(139.21,49.99) v1(139.66,108.1) v1(139.72,117.2) v1(139.77,112.96) v1(140.11,121.23) v1(140.83,89.75) v1(140.95,83.09) v1(140.96,26.14) v1(141.02,97.15) v1(141.01,59.79) v1(141.58,36.2) v1(142.3,46.29) v1(142.55,120.88) v1(142.66,91.19) v1(142.76,105.48) v1(142.75,1.29) v1(143.15,77.99) v1(143.16,16.34) v1(143.27,71.03) v1(143.75,86.16) v1(144.56,7.64) v1(144.81,64.44) v1(144.96,50.88) v1(145.16,120.86) v1(145.31,60.64) v1(145.31,44.33) v1(145.66,18.34) v1(145.79,73.69) v1(146.41,56.14) v1(146.74,113.07) v1(146.91,12.94) v1(147.61,67.14) v1(147.75,120.8) v1(148.5,103.17) v1(148.49,76.14) v1(148.66,106.84) v1(148.73,70.53) v1(148.92,115.65) v1(149.13,86.41) v1(149.21,81.74) v1(149.61,47.34) v1(149.75,77.75) v1(149.88,120.83) v1(149.86,112.65) v1(150.22,131.97) v1(150.88,72.42) v1(150.93,50.96) v1(151.83,115.79) v1(152.2,79.93) v1(152.36,103.59) v1(152.41,66.82) v1(152.56,123.3) v1(152.57,86.43) v1(152.86,61.18) v1(152.93,100.86) v1(153.09,74.71) v1(153.26,81.89) v1(153.98,112.87) v1(153.96,36.24) v1(154.35,120.97) v1(154.71,68.71) v1(155.13,98.53) v1(155.21,22.99) v1(155.37,76.86) v1(155.63,100.95) v1(155.99,63.26) v1(156.01,50.74) v1(156.49,130.67) v1(156.49,16.7) v1(156.65,47.24) v1(156.88,87.76) v1(156.9,115.92) v1(157.3,120.84) v1(157.3,96.49) v1(157.44,13.3) v1(157.86,40.44) v1(157.96,98.64) v1(158.08,108.27) v1(158.12,79.02) v1(158.55,91.04) v1(158.83,101.21) v1(158.91,22.13) v1(159.07,135.27) v1(159.08,130.88) v1(159.17,86.34) v1(159.29,63.96) v1(159.46,122.04) v1(159.75,50.71) v1(159.87,103.87) v1(160.01,138.29) v1(160.38,93.26) v1(160.31,31.37) v1(160.54,12.38) v1(160.7,98.59) v1(160.7,17.66) v1(161.21,55.94) v1(161.49,95.03) v1(161.5,113.22) v1(161.85,44.06) v1(162.39,101.54) v1(162.51,33.37) v1(163.18,63.72) v1(163.17,21.22) v1(163.32,12.41) v1(163.71,136.84) v1(164.06,39.54) v1(164.1,3.24) v1(164.32,103.79) v1(164.51,45.82) v1(164.69,78.84) v1(164.98,98.06) v1(165.22,52.79) v1(165.49,130.82) v1(166.26,136.84) v1(166.28,90.27) v1(166.64,75.69) v1(167.26,79.51) v1(167.3,68.89) v1(167.69,65.22) v1(167.66,56.64) v1(168.08,126.72) v1(168.08,94.96) v1(168.66,137.09) v1(168.9,75.47) v1(169.02,90.7) v1(169.13,106.62) v1(169.11,85.54) v1(169.63,50.84) v1(169.7,111.11) v1(169.73,59.84) v1(169.83,71.01) v1(169.81,40.29) v1(170.48,99.97) v1(170.48,68.84) v1(170.78,57.4) v1(171.07,74.33) v1(171,18.69) v1(171.26,97.81) v1(171.62,52.95) v1(171.62,26.1) v1(171.7,44.09) v1(171.85,60.04) v1(172.75,36.74) v1(173.25,104.69) v1(173.41,122.29) v1(173.6,54.79) v1(173.68,94.94) v1(173.61,71.71) v1(173.71,125.04) v1(173.76,41.39) v1(173.85,67.61) v1(173.81,45.14) v1(173.97,64.48) v1(174.06,131.54) v1(174.36,137.19) v1(174.53,91.86) v1(174.87,127.22) v1(175.27,56.54) v1(175.35,79.32) v1(175.41,122.69) v1(175.51,113.19) v1(175.98,99.45) v1(176.1,48.55) v1(176.42,61.68) v1(176.53,71.68) v1(177.58,61.73) v1(177.56,58.59) v1(177.9,40.3) v1(178.02,121.02) v1(178.2,115.79) v1(178.24,95.44) v1(178.41,85.94) v1(179.02,104.06) v1(179.07,60.18) v1(179.17,79.29) v1(180.26,124.54) v1(180.38,68.75) v1(180.33,63.08) v1(180.47,120.87) v1(180.41,74.94) v1(180.67,116.26) v1(181.35,54.41) v1(182.03,43.22) v1(182.66,102.67) v1(182.87,99.89) v1(183.62,39.9) v1(184.24,56.68) v1(185.77,51.96) v1(186.44,76.43) v1(186.44,69.48) v1(186.66,102.57) v1(186.97,105.22) v1(187.71,122.64) v1(188.13,89.36) v1(188.45,67.86) v1(189.25,52.06) v1(189.6,74.93) v1(189.64,70.76) v1(190.15,34.73) v1(190.41,135.89) v1(190.5,120.98) v1(190.56,100.74) v1(190.75,42.12) v1(191.37,78.74) v1(191.51,30.3) v1(191.56,27.44) v1(192.56,34.46) v1(192.54,16.44) v1(192.53,6.68) v1(193.04,32.11) v1(193.15,86.23) v1(193.71,62.6) v1(193.71,52.08) v1(193.86,112.52) v1(193.98,66.87) v1(194.25,76.41) v1(194.33,38.76) v1(194.76,101.84) v1(194.91,25.14) v1(195.26,81.95) v1(195.31,122.34) v1(195.95,127.63) v1(196.31,89.76) v1(196.42,37.16) v1(197.21,83.6) v1(197.28,60.79) v1(197.39,45.53) v1(197.47,55.81) v1(197.51,86.81) v1(197.51,43.08) v1(197.88,105.46) v1(197.93,75.08) v1(198.08,67.45) v1(198,1.09) v1(198.24,35.15) v1(198.44,91.75) v1(199.03,126.84) v1(199.24,19.99) v1(199.5,50.04) v1(199.56,31.03) v1(199.9,25.74) v1(200.18,35.84) v1(200.39,108.9) v1(200.47,64.16) v1(200.67,95) v1(200.65,44.59) v1(200.74,85.34) v1(201.28,44.15) v1(201.57,126.81) v1(201.66,104.99) v1(201.76,102.04) v1(201.85,39.74) v1(201.97,112.17) v1(202.25,89.75) v1(202.6,28.17) v1(202.78,39.39) v1(202.87,34.46) v1(203.18,25.8) v1(203.27,22.97) v1(203.49,84.05) v1(203.89,41.03) v1(203.94,98.1) v1(204.14,75.16) v1(204.2,126.81) v1(204.36,109.51) v1(204.52,36.93) v1(205.05,89.7) v1(206.69,126.75) v1(206.71,116.04) v1(207.56,29.48) v1(208.06,118.09) v1(208.75,25.69) v1(208.86,65.81) v1(208.9,50.59) v1(209.12,23.44) v1(209.35,70.72) v1(210.11,110.28) v1(210.12,49.5) v1(210.19,31.14) v1(210.47,53.66) v1(210.71,85.64) v1(210.81,57.55) v1(211.16,40.88) v1(211.99,21.04) v1(212.22,29.22) v1(212.45,102.83) v1(212.45,89.54) v1(212.59,115.45) v1(212.53,98.28) v1(212.67,122.96) v1(212.63,79.54) v1(212.82,111.16) v1(213.03,44.94) v1(213.1,33.75) v1(213.31,64.64) v1(213.56,75.15) v1(213.51,15.69) v1(213.87,58.58) v1(214.29,126.61) v1(214.26,46.81) v1(214.42,70.79) v1(214.84,1.57) v1(215.06,124.51) v1(215.18,119.97) v1(215.56,138.39) v1(216.71,133.49) v1(216.74,90.47) v1(216.78,79.48) v1(216.81,128.39) v1(216.82,83.39) v1(217,104.92) v1(217.27,54.46) v1(217.3,39.99) v1(217.33,39.22) v1(217.93,114.61) v1(218.49,99.52) v1(218.68,17.91) v1(218.81,64.59) v1(218.91,60.89) v1(219.05,44.14) v1(219.26,21.27) v1(219.34,105.43) v1(219.86,7.64) v1(220.06,112.58) v1(220.05,50.58) v1(220.25,40.29) v1(220.62,36.86) v1(220.68,15.77) v1(221.16,122.79) v1(221.8,0.98) v1(222.01,137.93) v1(222.03,99.11) v1(222.73,22.16) v1(222.91,116.39) v1(222.99,85.01) v1(223.46,105.34) v1(223.53,129.5) v1(223.95,79.48) v1(224.83,93.7) v1(224.84,90.99) v1(224.81,55.94) v1(225.36,109.1) v1(225.36,39.75) v1(225.9,133.04) v1(226.08,29.08) v1(226.51,21.32) v1(226.64,35.07) v1(226.79,71.36) v1(227.37,76.93) v1(227.5,45.24) v1(227.41,27.32) v1(227.51,102.86) v1(227.54,24.19) v1(227.8,73.49) v1(228.57,3.83) v1(228.78,109.05) v1(228.82,33.08) v1(228.86,28.95) v1(229.71,70.83) v1(229.79,24.33) v1(230.16,88.34) v1(230.36,115.49) v1(230.55,40.4) v1(231.19,35.2) v1(231.51,131.19) v1(231.59,92.64) v1(231.61,79.39) v1(231.72,84.3) v1(232.09,29.65) v1(232.35,17.99) v1(232.7,32.36) v1(233.21,113.94) v1(233.22,38.54) v1(233.21,37.22) v1(234.14,10.29) v1(234.51,117.94) v1(235.01,107.26) v1(235.21,89.27) v1(235.23,76.66) v1(235.23,66.66) v1(235.25,55.66) v1(235.21,50.22) v1(235.21,39.5) v1(235.48,121.12) v1(235.84,28.36) v1(235.91,34.49)
